# Altium PCB AUVqk.PcbDoc (continued)
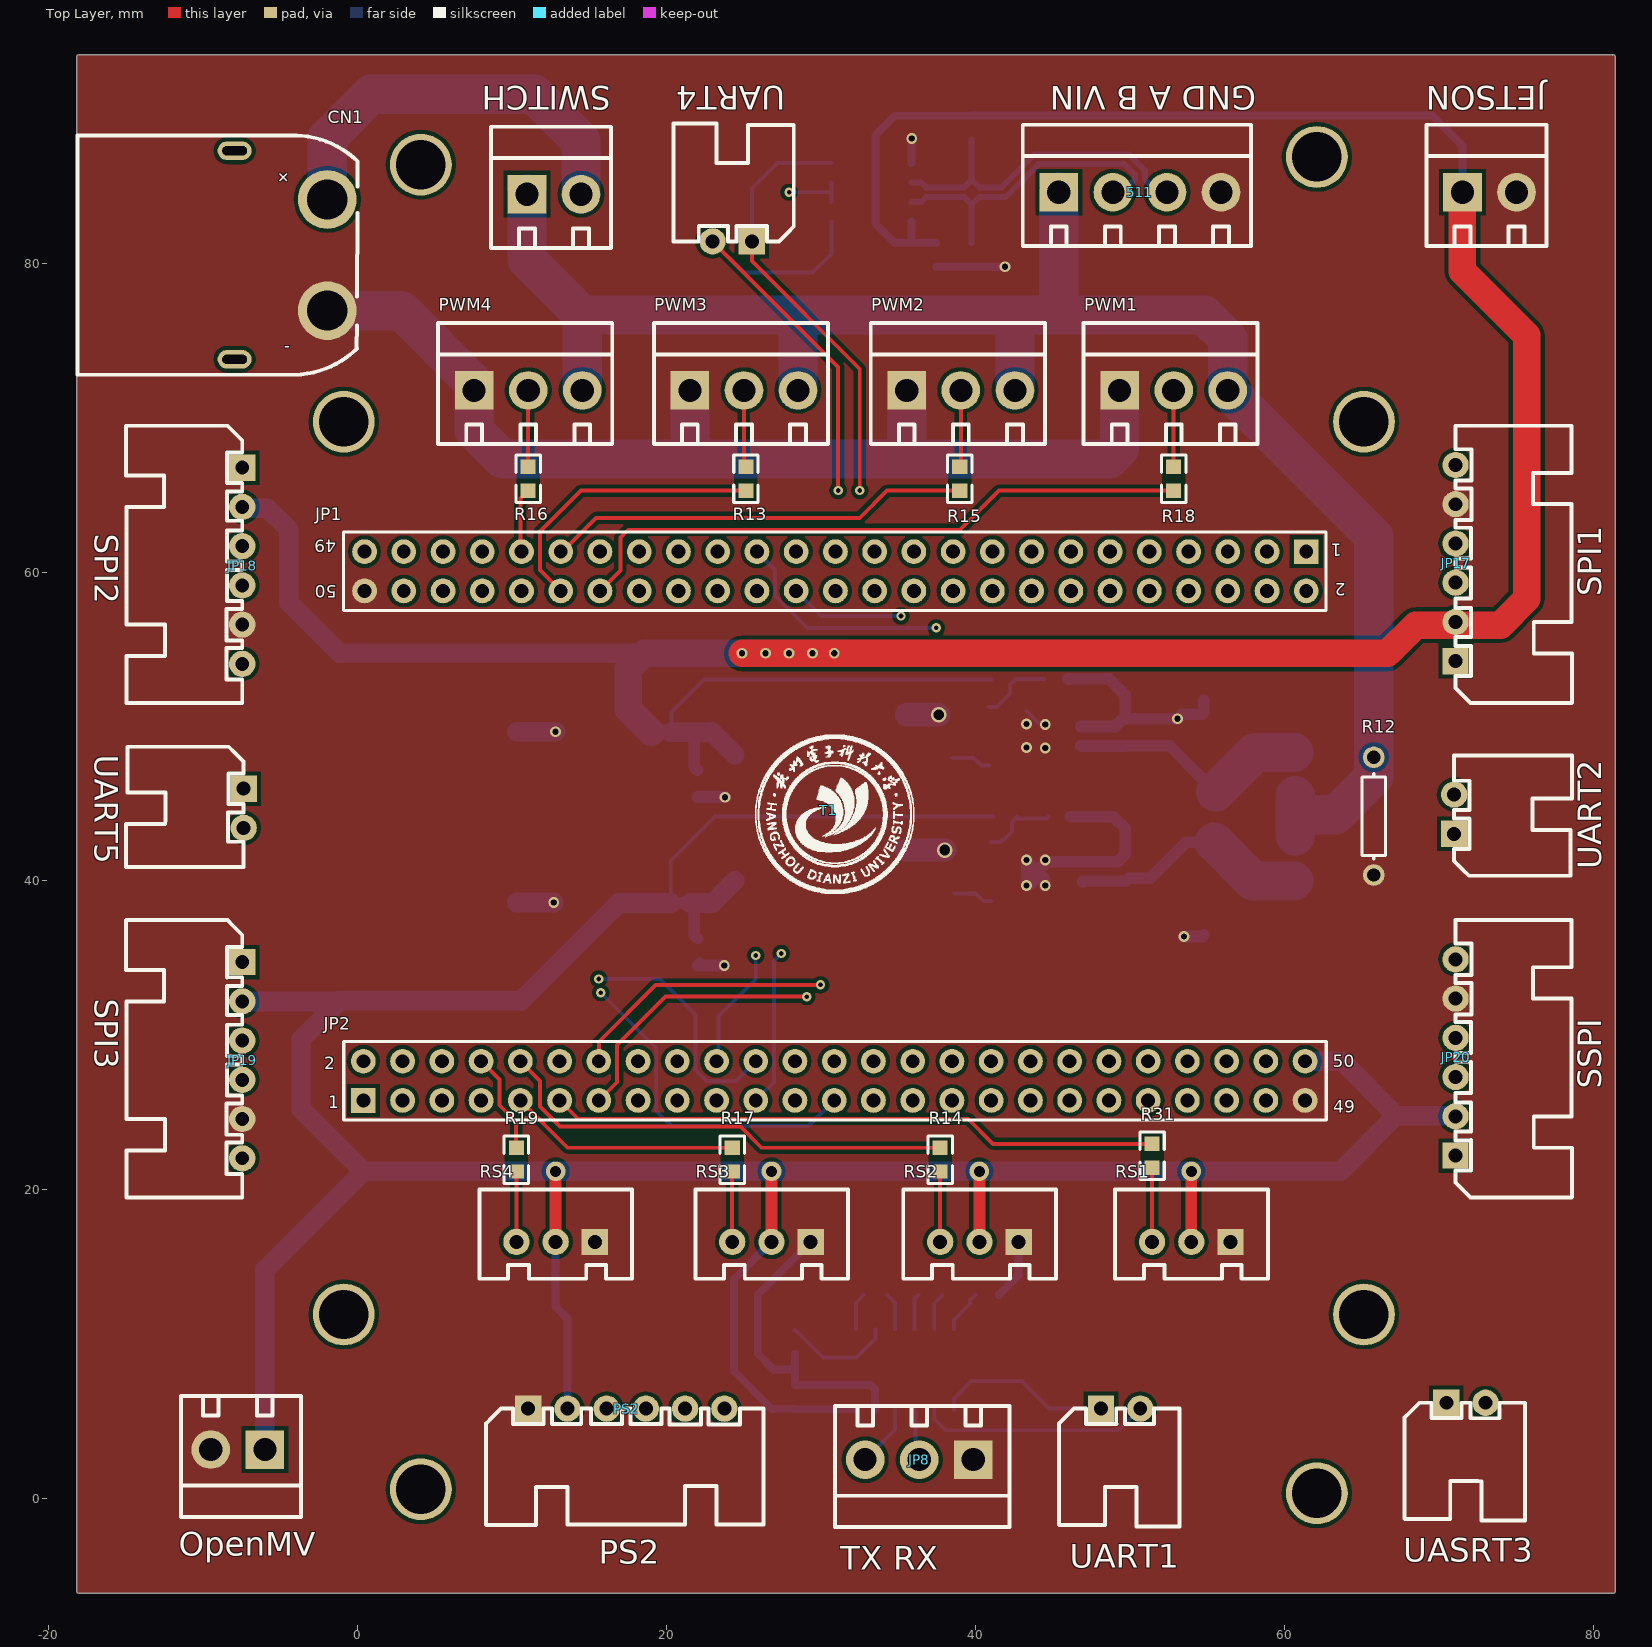
[diagram p0: Top Layer view]
## Components (designator, comment, footprint, x,y, rotation, side; value= is the part's Value field where it differs from the comment) (continued)
JETSON "HDR-1X2" KF350-2P 73.279,84.582 r0 top (schematic designator Jetson)
JP1 "Header 2X25" HDR2.54-LI-2X25P 33.274,60.198 r180 top
JP2 "Header 2X25" HDR2.54-LI-2X25P 28.524,26.909 r0 top
JP8 "HDR-1X3" KF350-3P 36.363,2.54 r180 top
JP17 "HDR-1X6" XH2.54-WI-6P 71.085,60.579 r90 top
JP18 "HDR-1X6" XH2.54-WI-6P -7.458,60.403 r270 top
JP19 "HDR-1X6" XH2.54-WI-6P -7.458,28.399 r270 top
JP20 "HDR-1X6" XH2.54-WI-6P 71.085,28.575 r90 top
L1 "33uH" CDRH73 28.234,48.168 r0 bottom
L2 "33uH" CDRH73 28.234,40.026 r0 bottom
OpenMV "HDR-1X2" KF350-2P -7.747,3.193 r180 top
PS2 "HDR-1X6" XH2.54-WI-6P 17.399,5.842 r0 top
PWM1 "HDR-1X3" KF350-3P 52.832,71.755 r0 top
PWM2 "HDR-1X3" KF350-3P 39.06,71.755 r0 top
PWM3 "HDR-1X3" KF350-3P 25.018,71.755 r0 top
PWM4 "HDR-1X3" KF350-3P 11.049,71.755 r0 top
R1 "27KΩ (2702) ±1%" 0603_R 41.823,53.051 r180 bottom
R2 "0Ω (0R0) ±1%" 0603_R 60.619,46.828 r270 bottom
R3 "8.2KΩ (8201) ±1%" 0603_R 45.212,53.086 r180 bottom
R4 "27KΩ (2702) ±1%" 0603_R 41.942,44.161 r180 bottom
R5 "0Ω (0R0) ±1%" 0603_R 60.619,41.494 r90 bottom
R6 "8.2KΩ (8201) ±1%" 0603_R 45.371,44.161 r180 bottom
R7 "120Ω (1200) ±1%" 0603_R 39.751,84.582 r270 bottom
R8 "360Ω (3600) ±1%" 0603_R 39.747,80.514 r270 bottom
R9 "360Ω (3600) ±1%" 0603_R 39.751,88.773 r270 bottom
R12 "MOV" AXIAL-0.3 65.786,44.196 r90 top value=14D470K
R13 "180Ω (1800) ±1%" 0603_R 25.146,66.04 r90 top
R14 "180Ω (1800) ±1%" 0603_R 37.719,21.963 r270 top
R15 "180Ω (1800) ±1%" 0603_R 38.989,66.04 r90 top
R16 "180Ω (1800) ±1%" 0603_R 11.049,66.04 r90 top
R17 "180Ω (1800) ±1%" 0603_R 24.257,21.963 r270 top
R18 "180Ω (1800) ±1%" 0603_R 52.832,66.04 r90 top
R19 "180Ω (1800) ±1%" 0603_R 10.287,21.963 r270 top
R31 "180Ω (1800) ±1%" 0603_R 51.435,22.217 r270 top
RS1 "HDR-1X3" XH2.54-LI-3P 53.975,16.637 r180 top
RS2 "HDR-1X3" XH2.54-LI-3P 40.259,16.637 r180 top
RS3 "HDR-1X3" XH2.54-LI-3P 26.797,16.637 r180 top
RS4 "HDR-1X3" XH2.54-LI-3P 12.827,16.637 r180 top
SWITCH "HDR-1X2" KF350-2P 12.72,84.455 r0 top
T1 "HDU" HDU 30.48,44.577 r0 top
U1 "TPS5450DDAR" SOP-8_EP_150mil 43.855,49.368 r0 bottom
U2 "TPS5450DDAR" SOP-8_EP_150mil 43.982,40.605 r0 bottom
U3 "MAX3232IDR C18261" SOIC-16_150mil 36.703,8.382 r0 bottom
U4 "MAX485ESA+T" SOIC-8_150MIL 33.274,84.582 r90 bottom
UART1 "HDR-1X2" XH2.54-WI-2P 49.403,5.842 r0 top
UART2 "HDR-1X2" XH2.54-WI-2P 70.993,44.323 r90 top
UART4 "HDR-1X2" XH2.54-WI-2P 24.257,81.407 r180 bottom
UART5 "HDR-1X2" XH2.54-WI-2P -7.366,44.704 r270 top
UASRT3 "HDR-1X2" XH2.54-WI-2P 71.755,6.223 r0 top

## Footprints (in the part's own frame and the unit in brackets; to place one, negate y for a bottom-side part, rotate by r counter-clockwise, add the part's x,y. Pads: shape width x height; smd on the part's side, far side on the other; paste and mask are expansions set on the pad)
0603_C [mm]
  rect 0.93x0.98 smd: 1(-0.77,0) 2(0.77,0)
  silkscreen extent -1.54,-0.79 1.54,0.79, body extent -0.8,-0.4 0.8,0.4, height 0.3
0603_R [mm]
  rect 0.93x0.98 smd: 1(-0.77,0) 2(0.77,0)
  silkscreen extent -1.53,-0.79 1.54,0.79, body extent 0,0 0,0
0805_C [mm]
  rect 1.16x1.47 smd: 1(-0.875,0) 2(0.875,0)
  silkscreen extent -1.76,-1.04 1.76,1.04, body extent 0,0 0,0
AXIAL-0.3 [mm] "Axial Device, Thru-Hole; 2 Leads; 0.3 in Pin Spacing"
  round 1.4 hole 0.85: 1(-3.81,0) 2(3.81,0)
  silkscreen extent -2.77,-0.76 2.77,0.76
CDRH73 [mm] "7.3*7.3*3.4mm（长宽高）"
  rect 2x2 smd: 1(-3.81,0) 2(3.81,0)
  silkscreen extent -3.81,-3.81 3.81,3.81, body extent 0,0 0,0
CONN-TH_XT60PW-M [mm]
  round 3.8 hole 2.6: 1(3,-3.6) 2(3,3.6)
  oval 2.2x1.2 hole 0.6 slot 1.6 at 0 deg: 3(-3,6.75) 4(-3,-6.75)
  silkscreen extent -13.17,-7.75 4.96,7.75
"CT 6*6 - V" [mm] "直径6mm，高6mm"
  rect 2.7x1 smd: 1(3,0)
  oval 2.7x1 smd: 2(-3,0)
  silkscreen extent -3.3,-3.3 3.3,3.3, body extent 0,0 0,0
"CT 10*13 - C" [mm] "直径10mm，高13mm"
  rect 3.8x1.3 smd: 1(5,0)
  oval 3.8x1.3 smd: 2(-5,0)
  silkscreen extent -5.2,-5.2 5.2,5.2, body extent 0,0 0,0
HDR2.54-LI-2X25P [mm]
  rect 1.6x1.6 hole 0.9: 1(-28.143,-1.118)
  round 1.6 hole 0.9: 2(-28.143,1.422) 3(-25.603,-1.118) 4(-25.603,1.422) 5(-23.063,-1.118) 6(-23.063,1.422) 7(-20.523,-1.118) 8(-20.523,1.422) 9(-17.983,-1.118) 10(-17.983,1.422) 11(-15.443,-1.118) 12(-15.443,1.422) 13(-12.903,-1.118) 14(-12.903,1.422) 15(-10.363,-1.118) 16(-10.363,1.422) 17(-7.823,-1.118) 18(-7.823,1.422) 19(-5.283,-1.118) 20(-5.283,1.422) 21(-2.743,-1.118) 22(-2.743,1.422) 23(-0.203,-1.118) 24(-0.203,1.422) 25(2.337,-1.118) 26(2.337,1.422) 27(4.877,-1.118) 28(4.877,1.422) 29(7.417,-1.118) 30(7.417,1.422) 31(9.957,-1.118) 32(9.957,1.422) 33(12.497,-1.118) 34(12.497,1.422) 35(15.037,-1.118) 36(15.037,1.422) 37(17.577,-1.118) 38(17.577,1.422) 39(20.117,-1.118) 40(20.117,1.422) 41(22.657,-1.118) 42(22.657,1.422) 43(25.197,-1.118) 44(25.197,1.422) 45(27.737,-1.118) 46(27.737,1.422) 47(30.277,-1.118) 48(30.277,1.422) 49(32.817,-1.118) 50(32.817,1.422)
  silkscreen extent -29.41,-2.39 34.19,2.69, body extent -29.41,-2.39 34.09,2.69, height 8.5
HDU [mm]
  silkscreen extent -4.72,-5.38 5.56,4.9
KF350-2P [mm] "可拼接端子/10A"
  rect 2.5x2.5 hole 1.5: 1(-1.75,0)
  round 2.5 hole 1.5: 2(1.75,0)
  silkscreen extent -4.09,-3.48 3.69,4.37, body extent -3.9,-3.3 3.5,4.2, height 10
KF350-3P [mm] "可拼接端子/10A"
  rect 2.5x2.5 hole 1.5: 1(-3.5,0)
  round 2.5 hole 1.5: 2(0,0) 3(3.5,0)
  silkscreen extent -5.84,-3.48 5.44,4.37, body extent -5.65,-3.3 5.25,4.2, height 10
KF350-4P [mm] "可拼接端子/10A"
  rect 2.5x2.5 hole 1.5: 1(-5.25,0)
  round 2.5 hole 1.5: 2(-1.75,0) 3(1.75,0) 4(5.25,0)
  silkscreen extent -7.59,-3.48 7.19,4.37, body extent -7.4,-3.3 7,4.2, height 10
SMA(DO-214AC)_S1 [mm]
  rect 2x2 smd: 1(2.1,0) 2(-2.1,0)
  silkscreen extent -2.35,-1.5 2.35,1.5
SOIC-8_150MIL [mm] "5*6.2*1.75mm"
  oval 0.7x1.8 smd: 1(-1.905,-2.6) 2(-0.635,-2.6) 3(0.635,-2.6) 4(1.905,-2.6) 5(1.905,2.6) 6(0.635,2.6) 7(-0.635,2.6) 8(-1.905,2.6)
  silkscreen extent -2.9,-3.05 2.4,1.4, body extent -2.45,-3 2.45,3, height 1.75
SOIC-16_150mil [mm] "10.5*6.2*1.75mm"
  oval 0.6x1.8 smd: 1(-4.445,-2.6) 2(-3.175,-2.6) 3(-1.905,-2.6) 4(-0.635,-2.6) 5(0.635,-2.6) 6(1.905,-2.6) 7(3.175,-2.6) 8(4.445,-2.6) 9(4.445,2.6) 10(3.175,2.6) 11(1.905,2.6) 12(0.635,2.6) 13(-0.635,2.6) 14(-1.905,2.6) 15(-3.175,2.6) 16(-4.445,2.6)
  silkscreen extent -5.4,-3.05 4.97,1.4, body extent -5,-3.03 5,3.03, height 1.65
SOP-8_EP_150mil [mm]
  oval 1.6x0.6 smd: 1(-2.972,1.905) 2(-2.972,0.635) 3(-2.972,-0.635) 4(-2.972,-1.905) 5(2.972,-1.905) 6(2.972,-0.635) 7(2.972,0.635) 8(2.972,1.905)
  rect 2.5x3.5 smd: 9(0,0)
  silkscreen extent -2.74,-2.39 1.93,2.84
XH2.54-LI-3P [mm] "接插件，3P"
  rect 1.7x1.7 hole 0.9: 1(-2.54,0)
  round 1.7 hole 0.9: 2(0,0) 3(2.54,0)
  silkscreen extent -4.95,-3.38 4.93,2.39, body extent -5.04,-3.3 5.04,2.4, height 7.03
XH2.54-WI-2P [mm] "接插件，2P"
  rect 1.7x1.7 hole 0.9: 1(-1.27,0)
  round 1.7 hole 0.9: 2(1.27,0)
  silkscreen extent -3.99,-7.62 3.81,0, body extent -3.77,-7.35 3.77,0.35, height 5.73
XH2.54-WI-6P [mm] "接插件，6P"
  rect 1.7x1.7 hole 0.9: 1(-6.35,0)
  round 1.7 hole 0.9: 2(-3.81,0) 3(-1.27,0) 4(1.27,0) 5(3.81,0) 6(6.35,0)
  silkscreen extent -9.07,-7.53 8.89,0, body extent -8.85,-7.35 8.85,0.35, height 5.75

## Part data
511: library part "Header 4 Pitch3.5", "4P接插件", BOM名称=4P接插件, 学习资源=www.ooocke.com, 版权归属=源创客
C1 C6: library part "0805 10nF (103) 10% 50V", "贴片电容", Package=0805, SuppliersPartNumber=C1710, ComponentLink1Description=供应商链接, ComponentLink1URL=http://www.szlcsc.com/product/details_2062.html, Supplier=LC
C2 C3 C7 C8: library part C-CT, "贴片固态电容", BOM名称=贴片固态电容, 学习资源=www.ooocke.com, 版权归属=源创客
C4 C5 C9 C10: library part "0805 22nF (223) 10% 50V", "贴片电容", Package=0805, SuppliersPartNumber=C1729, ComponentLink1Description=供应商链接, ComponentLink1URL=http://www.szlcsc.com/product/details_2081.html, Supplier=LC
C11 C12 C13 C14 C15 C16: library part "0603 100nF (104) 10% 50V", "贴片电容", Package=0603, SuppliersPartNumber=C14663, ComponentLink1Description=供应商链接, ComponentLink1URL=http://www.szlcsc.com/product/details_15331.html, Supplier=LC
CN1: BOM_JLCPCB Part Class="Extended Part", BOM_Manufacturer=AMASS(艾迈斯), BOM_Manufacturer Part=XT60PW-M, BOM_Supplier=LCSC, BOM_Supplier Part=C98732, Contributor=LCSC, spicePre=C, spiceSymbolName=XT60PW-M
D1 D2: "二极管", Package=SMA(DO-214AC), SuppliersPartNumber=C22452, ComponentLink1Description=供应商链接, ComponentLink1URL=http://www.szlcsc.com/product/details_23178.html, Supplier=LC
JETSON OpenMV SWITCH: library part "Header 2 Pitch3.5", "2P接插件", BOM名称=2P接插件, 学习资源=www.ooocke.com, 版权归属=源创客
JP1 JP2: library part "Header 25X2 Pitch2.54", "25*2P接插件", BOM名称=20*2P接插件, 学习资源=www.ooocke.com, 版权归属=源创客
JP8 PWM1 PWM2 PWM3 PWM4: library part "Header 3 Pitch3.5", "3P接插件", BOM名称=3P接插件, 学习资源=www.ooocke.com, 版权归属=源创客
JP17 JP18 JP19 JP20 PS2: library part "Header 6 Pitch2.54", "6P接插件", BOM名称=6P接插件, 学习资源=www.ooocke.com, 版权归属=源创客
L1 L2: library part L-CDRH, "功率屏蔽电感", BOM名称=功率屏蔽电感, 学习资源=www.ooocke.com, 版权归属=源创客
R1 R4: library part "0603 27KΩ (2702) 1%", "贴片电阻", Package=0603, SuppliersPartNumber=C22967, ComponentLink1Description=供应商链接, ComponentLink1URL=http://www.szlcsc.com/product/details_23694.html, Supplier=LC
R2 R5: library part "0603 0Ω (0R0) 1%", "贴片电阻", Package=0603, SuppliersPartNumber=C21189, ComponentLink1Description=供应商链接, ComponentLink1URL=http://www.szlcsc.com/product/details_21903.html, Supplier=LC
R3 R6: library part "0603 8.2KΩ (8201) 1%", "贴片电阻", Package=0603, SuppliersPartNumber=C25981, ComponentLink1Description=供应商链接, ComponentLink1URL=http://www.szlcsc.com/product/details_26724.html, Supplier=LC
R7: library part "0603 120Ω (1200) 1%", "贴片电阻", Package=0603, SuppliersPartNumber=C22787, ComponentLink1Description=供应商链接, ComponentLink1URL=http://www.szlcsc.com/product/details_23514.html, Supplier=LC
R8 R9: library part "0603 360Ω (3600) 1%", "贴片电阻", Package=0603, SuppliersPartNumber=C25194, ComponentLink1Description=供应商链接, ComponentLink1URL=http://www.szlcsc.com/product/details_25937.html, Supplier=LC
R12: library part Res1, "Resistor", LatestRevisionDate=17-Jul-2002, LatestRevisionNote="Re-released for DXP Platform.", PackageDescription="Axial Device, Thru-Hole; 2 Leads; 0.3 in Pin Spacing", PackageReference=AXIAL-0.3, Published=8-Jun-2000, Publisher="Altium Limited"
R13 R14 R15 R16 R17 R18 R19 R31: library part "0603 3KΩ (3001) 1%", "贴片电阻", Package=0603, SuppliersPartNumber=C4211, ComponentLink1Description=供应商链接, ComponentLink1URL=http://www.szlcsc.com/product/details_4618.html, Supplier=LC
RS1 RS2 RS3 RS4: library part "Header 3 Pitch2.54", "3P接插件", BOM名称=3P接插件, 学习资源=www.ooocke.com, 版权归属=源创客
U1 U2: library part TPS5430DDAR_[C9864], "DC-DCоƬ", Package=SOP-8_EP_150mil, SuppliersPartNumber=C9864, ComponentLink1Description=供应商链接, ComponentLink1URL=http://www.szlcsc.com/product/details_10396.html, Notepad="0 pin:        GND pin must be connected to the exposed pad for proper operation.", Supplier=LC
U3: "+3.3V Powered, Multi-Channel RS-232 Driver/Receiver", Code_IPC=SOIC127P600-16, Code_JEDEC=MS-012-AC, ComponentLink1Description="Manufacturer Link", ComponentLink1URL=http://www.maxim-ic.com/, ComponentLink2Description=Datasheet, ComponentLink2URL=https://item.szlcsc.com/18956.html, LatestRevisionDate=13-Apr-2006, LatestRevisionNote="IPC-7351 Footprint Added.", PackageDescription="16-Pin Small Outline Integrated Circuit 1.27 mm Pitch", PackageReference=NSO16, Published=16-Jan-2001, Publisher="Altium Limited"
U4: library part "MAX3485ESA+T C18148", "485оƬ", BOM_LCSC Assembly=Yes, BOM_Manufacturer=MAXIM, BOM_Manufacturer Part=MAX3485ESA+T, BOM_Supplier=LCSC, BOM_Supplier Part=C18148, image=//image.lceda.cn/szlcsc/C18148.jpg, SMT Type=Extend, spicePre=U, URL=https://item.szlcsc.com/18840.html
UART1 UART2 UART4 UART5 UASRT3: library part "Header 2 Pitch2.54", "2P接插件", BOM名称=2P接插件, 学习资源=www.ooocke.com, 版权归属=源创客

## Free pads (board coordinates)
  round 4 hole 3.2: 5(-0.889,11.938) 5(-0.889,69.723) 5(4.103,0.622) 5(4.103,86.368) 5(62.103,86.868) 5(62.103,0.368) 5(65.151,11.938) 5(65.151,69.723)

## Via types
v1: diameter 0.7, hole 0.4, Top Layer to Bottom Layer, 21 vias
v2: diameter 0.6, hole 0.3, Top Layer to Bottom Layer, 11 vias
v3: diameter 1.27, hole 0.711, Top Layer to Bottom Layer, 4 vias
v4: diameter 1, hole 0.7, Top Layer to Bottom Layer, 2 vias

## Nets (pads, with @x,y where several pads share a name; then routed paths per layer and width w, separated by ;. In a path a pad name is that pad's centre, name@x,y a point inside that pad or via, vN(x,y) a via of type N, cw(c..) or ccw(c..) an arc to the next point about the centre after c; other vN are vias at no path point)
5V: C7.1 C9.2 C14.1 JP2.50 JP19.2 JP20.2 L2.1 OpenMV.1 PS2.2 R4.2 RS1.2 RS2.2 RS3.2 RS4.2 U3.16 | length 223.2
  Top Layer w0.762: RS4.2 v3(12.827,21.209) ; RS3.2 v3@26.797,20.955 ; RS2.2 v3@40.259,20.955 ; RS1.2@53.973,16.637 v3@53.973,20.828
  Bottom Layer w0.254: C7.1 20.28,41.287 23.154,44.161 R4.2
  Bottom Layer w0.508: RS4.2 12.827,12.446 13.589,11.684 PS2.2 ; RS3.2 24.384,14.224 24.384,8.255 26.805,5.834 C14.1 28.347,5.808 32.232,5.808 U3.16
  Bottom Layer w0.762: C7.1 21.53,38.573 21.799,38.304 21.799,36.486 21.998,36.287 C9.2
  Bottom Layer w1.27: JP19.2 -7.444,32.194 -1.206,32.194 -3.683,29.718 -3.683,25.273 0.381,21.209 ; OpenMV.1 -5.997,14.831 0.381,21.209 ; -1.206,32.258 10.611,32.258 16.926,38.573 C7.1 ; C7.1@21.53,38.573 22.971,38.573 L2.1 ; JP2.50 63.715,28.331 67.232,24.814 ; JP20.2@70.911,24.847 JP20.2@70.993,24.765 ; JP20.2@71.12,24.814 67.232,24.814 ; 0.381,21.209 v3(12.827,21.209) v3(26.797,21.209) v3(40.259,21.209) v3(53.975,21.209) 63.627,21.209 67.232,24.814
5V_JETSON: C2.1 C4.2 C16.1 JETSON.1 JP17.2 JP18.2 L1.1 R1.2 R9.1 U4.8 | length 218
  Top Layer w1.778: v1(24.892,54.737) v1(30.861,54.737) 62.23,54.737 66.675,54.737 68.502,56.564 73.992,56.564 75.692,58.264 75.692,75.311 71.529,79.474 JETSON.1
  Bottom Layer w0.254: C2.1@20.295,49.637 20.32,49.662 20.32,50.927 22.444,53.051 R1.2
  Bottom Layer w0.508: U4.8 35.874,81.348 35.814,81.288 ; C16.1 35.814,81.288 ; JETSON.1@71.529,83.947 JETSON.1 71.529,87.602 69.588,89.543 R9.1 39.743,89.535 34.798,89.535 33.528,88.265 33.528,82.55 34.79,81.288 35.814,81.288
  Bottom Layer w0.762: C2.1@19.03,49.622 C2.1 ; C2.1@21.799,49.353 21.799,47.38 21.998,47.181 C4.2
  Bottom Layer w1.27: JP18.2 -7.38,64.135 -5.842,64.135 -4.445,62.738 -4.445,58.039 -1.143,54.737 18.568,54.737 ; C2.1 20.295,49.637 22.84,49.637 22.86,49.657 22.936,49.657 L1.1
  Bottom Layer w1.778: C2.1@19.03,49.622 17.526,51.126 17.526,53.695 18.568,54.737 v1(24.892,54.737) v1(26.416,54.737) v1(27.94,54.737) v1(29.464,54.737) v1(30.861,54.737) 31.623,54.737
24V: CN1.2 SWITCH.2 | length 26.3
  Bottom Layer w2.54: CN1.2 -1.953,88.09 0.889,90.932 11.43,90.932 14.47,87.892 SWITCH.2
232RX: JP8.2 U3.13 | length 3.4
  Bottom Layer w0.254: U3.13 36.134,5.716 36.134,2.769 JP8.2
232TX: JP8.3 U3.14 | length 4
  Bottom Layer w0.254: JP8.3 34.798,4.475 U3.14
485_N: 511.2 R7.2 R8.1 U4.7 | length 20.8
  Bottom Layer w0.381: U4.7 36.489,83.947 36.807,84.264 39.273,84.264 39.726,83.812 R7.2 ; R8.1 39.747,83.808 R7.2 ; 511.2 49.474,84.582 50.078,85.187 50.109,85.187 50.333,85.41 50.333,85.725 49.655,86.404 44.093,86.404 41.954,84.264 40.229,84.264 39.776,83.812 R7.2
485_P: 511.3 R7.1 R9.2 U4.6 | length 21.9
  Bottom Layer w0.381: U4.6 36.489,85.217 36.807,84.9 39.274,84.9 39.726,85.352 R7.1 ; R9.2 R7.1 ; 511.3 51.827,84.582 51.222,85.187 51.191,85.187 50.968,85.41 50.968,85.988 49.918,87.039 43.83,87.039 41.691,84.899 40.229,84.899 39.776,85.352 R7.1
BOOT0: JP2.36
GND: 511.4 C2.2 C3.2 C4.1 C5.1 C7.2 C8.2 C9.1 C10.1 C13.2 C14.2 C15.2 C16.2 CN1.1 D1.1 D2.1 JETSON.2 JP1.50 JP2.49 JP8.1 JP17.5 JP18.5 JP19.5 JP20.5 OpenMV.2 PS2.1 PWM1.1 PWM2.1 PWM3.1 PWM4.1 R3.1 R6.1 R8.2 R12.1 RS1.1 RS2.1 RS3.1 RS4.1 U1.6 U1.9 U2.6 U2.9 U3.15 U4.5 | length 147.9
  Bottom Layer w0.254: U1.9@43.312,50.991 44.173,50.13 v1(44.521,50.13) ; v1(44.521,41.367) U2.9@44.648,41.24
  Bottom Layer w0.508: C2.2@10.129,49.773 C2.2 ; C13.2 28.321,8.382 ; RS3.1 25.908,13.208 25.908,9.398 26.924,8.382 28.321,8.382 ; U3.15 33.51,5.8 33.51,7.076 33.213,7.374 C14.2 28.321,8.382 ; U4.5 v1(35.874,88.071) ; C16.2 37.469,79.752 41.906,79.752 v1(41.91,79.756) ; C15.2 41.537,13.233 42.799,14.495 RS2.1
  Bottom Layer w0.762: C7.2 C7.2@10.315,38.608 ; C2.2 C2.2@10.315,49.657 ; C4.1 23.789,45.431 v1(23.797,45.423) ; C9.1@22.13,34.655 C9.1 v1(23.742,34.537) ; D2.1 D2.1@35.532,42.002 ; D1.1 D1.1@35.532,50.765 ; U2.9@43.347,39.716 U2.9@43.347,41.367 ; U2.9@43.474,39.716 43.982,40.224 U2.9 ; U2.9@43.474,41.113 U2.9 ; U2.9@44.49,39.716 44.49,40.097 U2.9 ; U2.9@44.49,41.367 44.49,41.113 U2.9 ; U2.9@44.648,41.24 U2.6 49.203,41.24 C10.1 49.697,43.399 48.935,44.161 R6.1 ; R3.1 48.641,53.086 49.697,52.03 C5.1 ; U1.6 49.048,50.003 49.542,50.497 C5.1 ; v1(53.507,36.414) 54.679,36.414 C8.2 ; C3.2 54.777,50.897 54.667,50.787 53.377,50.787 v1(53.086,50.497) C5.1
  Bottom Layer w1.27: C7.2@10.315,38.608 v1(12.7,38.608) ; C2.2@10.315,49.657 v1(12.827,49.657)
  Bottom Layer w1.5: D2.1@35.532,42.002 v4(38.013,42.002) ; D1.1@35.532,50.765 v4(37.632,50.765)
  Bottom Layer w2.54: CN1.1 2.838,76.918 7.549,72.207 PWM4.1 7.549,69.159 9.398,67.31 21.518,67.31 ; PWM3.1 21.518,67.31 ; PWM2.1 35.56,67.31 ; PWM1.1 49.332,68.001 48.641,67.31 35.56,67.31 ; 21.518,67.31 35.56,67.31
  other v1: 43.316,39.716 44.521,39.716 43.316,41.367 44.521,48.606 43.307,48.641 43.307,50.165
NetC1_1: C1.1 U1.1 | length 2.6
  Bottom Layer w0.254: C1.1 39.889,47.957 40.383,47.463 U1.1
NetC1_2: C1.2 D1.2 L1.2 U1.8
NetC3_1: C3.1 C5.2 R2.1 U1.7 | length 15.8
  Bottom Layer w0.762: U1.7 46.834,48.74 49.69,48.74 C5.2 52.563,48.747 54.658,46.652 54.777,46.533 C3.1
  Bottom Layer w2.54: 55.565,45.781 58.102,48.318 60.619,48.318
NetC6_1: C6.1 U2.1 | length 2.6
  Bottom Layer w0.254: C6.1 40.016,39.194 40.51,38.7 U2.1
NetC6_2: C6.2 D2.2 L2.2 U2.8
NetC8_1: C8.1 C10.2 R5.1 U2.7 | length 15.8
  Bottom Layer w0.762: U2.7 46.961,39.977 49.69,39.977 C10.2 49.896,40.183 51.307,40.183 53.636,42.512 C8.1 55.467,42.512
  Bottom Layer w2.54: 55.467,42.512 57.975,40.004 60.619,40.004
NetC11_1: C11.1 U3.3 | length 2.4
  Bottom Layer w0.254: C11.1 34.298,13.183 34.798,12.683 U3.3
NetC11_2: C11.2 U3.1 | length 2.4
  Bottom Layer w0.254: U3.1 32.258,12.683 32.758,13.183 C11.2
NetC12_1: C12.1 U3.4 | length 2.3
  Bottom Layer w0.254: U3.4 36.068,12.962 C12.1
NetC12_2: C12.2 U3.5 | length 2.4
  Bottom Layer w0.254: U3.5 37.338,12.667 37.854,13.183 C12.2
NetC13_1: C13.1 U3.2 | length 7.1
  Bottom Layer w0.254: C13.1 28.346,10.93 30.132,9.144 32.29,9.144 33.528,10.382 U3.2
NetC15_1: C15.1 U3.6 | length 2.8
  Bottom Layer w0.254: U3.6 38.608,11.582 39.659,12.633 39.659,12.87 C15.1
NetJP1_42: JP1.42
NetJP1_43: JP1.43
NetJP1_44: JP1.44
NetJP1_45: JP1.45
NetJP1_46: JP1.46
NetJP1_47: JP1.47
NetJP1_48: JP1.48
NetJP1_49: JP1.49
NetJP2_2: JP2.2
NetJP2_3: JP2.3
NetJP2_4: JP2.4
NetJP2_5: JP2.5
NetJP2_6: JP2.6
NetJP2_7: JP2.7
NetR1_1: R1.1 R3.2 U1.4 | length 4.6
  Bottom Layer w0.254: U1.4 41.383,51.273 42.255,52.145 42.255,52.713 R1.1 42.628,53.086 R3.2
NetR4_1: R4.1 R6.2 U2.4 | length 4.7
  Bottom Layer w0.254: U2.4 41.604,42.51 41.739,42.644 41.831,42.644 42.374,43.188 42.374,43.823 R4.1 ; R4.1@42.712,44.034 R6.2@44.474,44.034 ; R6.2@44.617,44.034 R6.2@44.744,44.161
NRST: JP1.1
PA0: JP1.6
PA2: JP1.8 UART2.1 | length 25.4
  Signal w0.254: JP1.8 55.55,57.023 59.944,57.023 69.342,47.625 69.342,45.503 70.27,44.575 70.27,43.776 UART2.1
PA3: JP1.9 UART2.2 | length 27.4
  Signal w0.254: JP1.9 52.616,59.957 54.286,59.957 55.156,59.087 55.156,58.286 55.848,57.595 60.091,57.595 70.993,46.692 UART2.2
PA4: JP1.10
PA5: JP1.11 JP17.3 | length 25.4
  Signal w0.254: JP1.11 51.41,64.008 66.386,64.008 JP17.3
PA6: JP1.12 JP17.1 | length 30.6
  Signal w0.254: JP1.12 49.898,59.957 49.898,61.627 51.771,63.5 64.262,63.5 66.548,61.214 66.548,58.766 JP17.1
PA7: JP1.13 JP17.4 | length 27.3
  Signal w0.254: JP1.13 49.378,64.516 68.418,64.516 JP17.4
PA8: JP2.12 PS2.3 | length 26.1
  Signal w0.254: JP2.12 14.44,26.972 14.44,25.184 18.923,20.701 18.923,8.636 PS2.3
PA9: JP2.13 U3.11 UART1.1 | length 71.2
  Top Layer w0.254: JP2.13 16.802,26.972 16.802,29.375 19.939,32.512 v2(29.083,32.512) ; UART1.1 UART1.1@48.26,5.969
  Signal w0.254: v2(29.083,32.512) 41.656,32.512 44.742,29.426 44.742,23.203 48.133,19.812 UART1.1
  Bottom Layer w0.254: U3.11 38.608,6.477 39.751,7.62 42.99,7.62 44.768,5.842 UART1.1
PA10: JP2.14 U3.12 UART1.2 | length 76.1
  Top Layer w0.254: JP2.14 15.621,29.591 19.304,33.274 v2(29.972,33.274)
  Signal w0.254: v2(29.972,33.274) 43.942,33.274 47.46,29.756 47.46,23.533 49.022,21.971 49.022,9.652 50.673,8.001 UART1.2
  Bottom Layer w0.254: U3.12 37.338,5.182 38.075,4.445 49.276,4.445 UART1.2
PA11: JP2.15 PS2.4 | length 20.8
  Signal w0.254: JP2.15 18.161,22.225 19.431,20.955 19.431,6.985 18.884,6.438 18.884,6.057 PS2.4
PA12: JP2.16 PS2.5 | length 23.8
  Signal w0.254: JP2.16 19.52,26.972 19.52,21.882 19.939,21.463 19.939,7.112 PS2.5
PA13: JP2.17
PA14: JP2.18
PA15: JP2.19 PS2.6 | length 22.5
  Signal w0.254: JP2.19 23.241,24.003 20.447,21.209 20.447,9.144 PS2.6
PB0: JP1.16
PB1: JP1.17
PB2: JP1.18
PB3: JP2.31 JP19.3 | length 49.9
  Signal w0.254: JP19.3 -4.65,29.669 -2.996,31.323 34.619,31.323 37.122,28.82 37.122,27.15 JP2.31
PB4: JP2.32 JP19.1 | length 48.6
  Signal w0.254: JP19.1 -4.54,31.831 34.981,31.831 JP2.32
PB5: JP2.33 JP19.4 | length 56.8
  Signal w0.254: JP19.4 -4.904,27.129 -3.429,28.604 -3.429,30.099 -2.75,30.778 32.625,30.778 34.76,28.642 34.76,24.93 35.941,23.749 38.979,23.749 JP2.33
PB6: JP2.34
PB7: JP2.35 JP19.6 | length 63.8
  Signal w0.254: JP19.6 -2.921,26.586 -2.921,29.889 -2.54,30.27 31.325,30.27 32.22,29.375 32.22,23.914 33.274,22.86 40.63,22.86 JP2.35
PB8: JP2.37
PB9: JP2.38
PB10: JP1.28 UASRT3.1 | length 86.6
  Signal w0.254: v2(35.179,57.15) 38.354,53.975 54.61,53.975 68.834,39.751 71.374,39.751 73.66,37.465 73.66,20.574 70.485,17.399 UASRT3.1
  Bottom Layer w0.254: JP1.28 30.023,57.15 v2(35.179,57.15)
PB11: JP1.29 UASRT3.2 | length 93.4
  Signal w0.254: v2(37.465,56.388) 37.465,56.261 38.862,54.864 54.991,54.864 68.58,41.275 72.517,41.275 75.565,38.227 75.565,20.198 73.025,17.658 UASRT3.2
  Bottom Layer w0.254: JP1.29 27.038,60.135 27.038,58.464 29.115,56.388 v2(37.465,56.388)
PB12: JP1.30
PB13: JP1.31 JP18.3 | length 32.9
  Signal w0.254: JP18.3 -6.018,61.673 -3.683,64.008 20.625,64.008 JP1.31
PB14: JP1.32 JP18.1 | length 38.4
  Signal w0.254: JP18.1 -3.38,66.753 -1.143,64.516 22.987,64.516 24.676,62.827 24.676,60.135 JP1.32
PB15: JP1.33 JP18.4 | length 31.2
  Signal w0.254: JP18.4 -7.458,59.515 -3.473,63.5 18.593,63.5 JP1.33
PC0: JP1.2
PC1: JP1.3
PC2: JP1.4
PC3: JP1.5
PC4: JP1.14
PC5: JP1.15 JP17.6 | length 29.8
  Signal w0.254: JP1.15 47.346,65.024 64.897,65.024 66.802,66.929 JP17.6
PC6: JP2.8 R19.1 | length 6.6
  Top Layer w0.254: JP2.8 9.182,27.15 9.182,25.48 10.262,24.4 10.262,22.733 R19.1 R19.1@10.312,22.733
PC7: JP2.9 R17.1 | length 15
  Top Layer w0.254: JP2.9 13.599,22.733 R17.1
PC8: JP2.10 R14.1 | length 30.5
  Top Layer w0.254: JP2.10 11.808,27.064 11.808,25.394 13.1,24.102 24.78,24.102 26.149,22.733 R14.1
PC9: JP2.11 R31.1 | length 39.8
  Top Layer w0.254: JP2.11@13.081,25.502 JP2.11 14.262,24.61 39.525,24.61 41.148,22.987 R31.1
PC10: JP2.20 U4.4 UART4.1 | length 74.5
  Top Layer w0.254: UART4.1 25.527,80.137 32.512,73.152 v2(32.512,65.278)
  Signal w0.254: JP2.20@23.011,28.561 JP2.20 ; v2(25.781,35.179) 25.781,38.354 31.592,44.165 31.592,55.53 29.718,57.404 29.718,65.913 30.353,66.548 32.109,66.548 32.512,66.145 v2(32.512,65.278)
  Bottom Layer w0.254: JP2.20 23.368,28.458 23.368,31.242 25.781,33.655 v2(25.781,35.179) ; UART4.1 25.527,84.836 27.178,86.487 U4.4
PC11: JP2.21 U4.1 UART4.2 | length 73.1
  Top Layer w0.254: UART4.2 31.115,73.279 v2(31.115,65.278)
  Signal w0.254: v2(27.432,35.306) 27.432,39.049 32.118,43.735 32.118,64.275 v2(31.115,65.278)
  Bottom Layer w0.254: UART4.2 25.019,79.375 29.464,79.375 30.674,80.585 U4.1 ; JP2.21 26.962,26.972 26.962,34.813 27.432,35.283 v2(27.432,35.306)
PC12: JP2.22 UART5.1 | length 43.9
  Signal w0.254: UART5.1@-7.874,45.974 -7.796,45.896 UART5.1@-7.585,45.896 ; UART5.1 4.953,33.655 v2(15.621,33.655)
  Bottom Layer w0.254: v2(15.621,33.655) 19.587,33.655 21.882,31.36 21.882,27.775 22.606,27.051 24.501,27.051 JP2.22
PC13: JP2.46
PC14: JP2.47
PC15: JP2.48
PD0: JP2.23
PD1: JP2.24
PD2: JP2.25 UART5.2 | length 49.3
  Signal w0.254: UART5.2 3.302,32.766 v2(15.748,32.766)
  Bottom Layer w0.254: v2(15.748,32.766) 19.342,29.172 19.342,25.108 20.32,24.13 29.2,24.13 JP2.25
PD3: JP2.26
PD4: JP2.27
PD5: JP2.28
PD6: JP2.29
PD7: JP2.30
PD8: JP1.34
PD9: JP1.35 JP18.6 | length 32.9
  Signal w0.254: JP18.6 -5.505,56.006 -5.505,60.75 -3.262,62.992 16.561,62.992 JP1.35
PD10: JP1.36
PD11: JP1.37
PD12: JP1.38 R18.1 | length 41.1
  Top Layer w0.254: JP1.38 17.018,60.096 17.018,62.23 17.526,62.738 18.669,62.738 38.989,62.738 41.521,65.27 R18.1
PD13: JP1.39 R15.1 | length 27.9
  Top Layer w0.254: JP1.39 13.266,61.316 15.45,63.5 32.512,63.5 34.282,65.27 R15.1 R15.1@39.327,64.932
PD14: JP1.40 R13.1 | length 18.9
  Top Layer w0.254: JP1.40 11.811,60.122 11.811,62.611 14.47,65.27 R13.1 R13.1@25.171,65.27
PD15: JP1.41 R16.1 | length 4.8
  Top Layer w0.254: JP1.41@11.024,61.722 JP1.41 10.541,61.392 10.541,64.762 10.686,64.907 10.686,64.932 11.024,65.27 R16.1 R16.1@11.074,65.27
PE0: JP2.39
PE1: JP2.40 JP20.6 | length 34.8
  Signal w0.254: JP2.40 50.155,29.845 54.102,29.845 55.064,28.883 55.064,27.858 55.772,27.15 57.051,27.15 57.62,26.581 57.62,25.302 58.792,24.13 66.294,24.13 67.183,25.019 67.183,31.023 JP20.6
PE2: JP2.41 JP20.3 | length 31
  Signal w0.254: JP2.41 54.366,22.606 66.272,22.606 68.558,20.32 71.755,20.32 72.898,21.463 72.898,25.492 JP20.3
PE3: JP2.42 JP20.4 | length 27.1
  Signal w0.254: JP2.42 51.307,28.331 52.079,27.559 52.823,27.559 53.41,26.972 54.21,26.972 54.902,26.28 54.902,25.48 56.76,23.622 66.675,23.622 67.691,24.638 67.691,28.448 69.088,29.845 JP20.4
PE4: JP2.43 JP20.1 | length 18.8
  Signal w0.254: JP2.43 56.398,23.114 66.802,23.114 67.691,22.225 JP20.1
PE5: JP2.44
PE6: JP2.45
PE7: JP1.19
PE8: JP1.20
PE9: JP1.21
PE10: JP1.22
PE11: JP1.23
PE12: JP1.24
PE13: JP1.25
PE14: JP1.26
PE15: JP1.27 U4.2 U4.3 | length 29.8
  Signal w0.254: v2(27.94,84.582) 27.94,79.248 31.242,75.946 31.242,69.088 28.397,66.243 JP1.27
  Bottom Layer w0.254: v2(27.94,84.582) 30.674,84.582 ; U4.2 30.674,84.582 ; U4.3 30.674,84.582
PWM1: PWM1.2 R18.2 | length 4.9
  Top Layer w0.254: R18.2 PWM1.2
PWM2: PWM2.2 R15.2 | length 5
  Top Layer w0.254: R15.2 39.06,66.881 PWM2.2
PWM3: PWM3.2 R13.2 | length 5
  Top Layer w0.254: PWM3.2 25.018,66.938 R13.2
PWM4: PWM4.2 R16.2 | length 4.9
  Top Layer w0.254: R16.2 PWM4.2
RS1035-1: R31.2 RS1.3 | length 4.6
  Top Layer w0.254: RS1.3 R31.2@51.435,21.201
RS1035-2: R14.2 RS2.3 | length 4.6
  Top Layer w0.254: RS2.3 R14.2
RS1035-3: R17.2 RS3.3 | length 4.6
  Top Layer w0.254: RS3.3 R17.2
RS1035-4: R19.2 RS4.3 | length 4.6
  Top Layer w0.254: RS4.3 R19.2
STM32_AD: JP1.7
VIN: 511.1 PWM1.3 PWM2.3 PWM3.3 PWM4.3 R2.2 R5.2 R12.2 SWITCH.1 | length 115.3
  Bottom Layer w2.54: SWITCH.1 10.97,80.216 14.549,76.637 ; PWM4.3 14.549,76.637 ; PWM3.3 28.518,76.58 28.575,76.637 ; PWM2.3 42.56,76.622 42.545,76.637 ; 511.1 45.4,76.703 45.466,76.637 ; 60.706,42.926 60.706,44.288 ; 60.706,45.524 60.706,44.288 ; 14.549,76.637 28.575,76.637 ; 28.575,76.637 42.545,76.637 ; 42.545,76.637 45.466,76.637 ; 45.466,76.637 54.808,76.637 56.332,75.113 PWM1.3 65.786,62.301 R12.2 65.786,46.743 63.331,44.288 60.706,44.288
pads on no net: CN1.3 CN1.4 JP2.1 U1.2 U1.3 U1.5 U2.2 U2.3 U2.5 U3.7 U3.8 U3.9 U3.10

## Polygon pours and split planes (outlines as drawn)
GND on Bottom Layer "GND_L04_P009" (solid, remove dead copper, pour order 9): -18.161,93.472 81.407,93.472 81.407,-6.096 -18.161,-6.096
NetC6_2 on Bottom Layer "NETC6_2_L04_P001" (solid, remove dead copper, pour order 1): 46.141,39.208 47.792,39.208 48.681,38.319 48.681,37.43 47.538,36.287 31.917,36.287 30.52,37.684 30.52,40.986 31.155,41.621 33.187,41.621 33.822,40.986 33.822,39.335 34.203,38.954 36.616,38.954 37.378,38.192 39.664,38.192 40.045,37.811 44.744,37.811 45.887,38.954
NetC1_2 on Bottom Layer "NETC1_2_L04_P000" (solid, remove dead copper, pour order 0): 46.141,48.098 47.792,48.098 48.681,47.209 48.681,46.32 47.538,45.177 31.917,45.177 30.52,46.574 30.52,49.876 31.155,50.511 33.187,50.511 33.822,49.876 33.822,48.225 34.203,47.844 36.616,47.844 37.378,47.082 39.664,47.082 40.045,46.701 44.744,46.701 45.887,47.844
GND on Top Layer "GND_L01_P007" (solid, remove dead copper, pour order 7): -18.161,93.472 81.407,93.472 81.407,-6.096 -18.161,-6.096
GND on GND (split plane): 80.897,92.962 80.897,2.083 80.897,-5.586 -17.651,-5.586 -17.651,92.962

## Silkscreen, mask and mechanical layers (free items; w line width, h text height)
Top Overlay:
  text "GND A B VIN" at 58.166,91.44 h1.52 r180
  text "SPI2" at -17.018,62.484 h1.52 r270
  text "SPI1" at 80.518,58.42 h1.52 r90
  text "SPI3" at -17.018,32.385 h1.52 r270
  text "SSPI" at 80.518,26.543 h1.52 r90
  text "PS2" at 15.621,-4.191 h1.52
  text "TX RX" at 31.242,-4.572 h1.52
Bottom Solder:
  region: -0.815,78.105 3.429,78.105 8.763,72.771 7.366,71.374 6.604,71.374 2.286,75.692 -0.815,75.692
  region: 57.658,72.136 67.056,62.738 67.056,46.101 64.008,43.053 62.103,43.053 62.103,45.466 61.976,45.593 62.992,45.593 64.516,47.117 64.516,61.849 55.753,70.612
  region: 9.779,83.185 9.779,79.629 13.335,76.073 13.335,72.136 15.748,72.136 15.875,72.263 15.875,75.311 27.305,75.311 27.305,71.882 29.845,71.882 29.845,75.311 41.275,75.311 41.275,72.009 43.815,72.009 43.815,75.311 54.356,75.311 55.118,74.549 55.118,71.882 57.658,71.882 57.658,75.438 55.245,77.851 46.863,77.851 46.736,77.978 46.736,83.312 44.069,83.312 44.069,83.185 44.069,77.851 14.986,77.851 12.319,80.518 12.319,83.058 12.192,83.185
  region: 6.286,70.549 6.35,70.485 6.35,68.58 8.89,66.04 49.022,66.04 50.673,67.691 50.673,70.485 48.006,70.485 48.006,68.58 36.83,68.58 36.83,70.485 34.29,70.485 34.29,68.58 22.86,68.58 22.86,70.485 20.193,70.485 20.193,68.58 9.906,68.58 8.89,69.596 8.89,70.485
  region: -3.175,85.598 -3.175,88.646 0.381,92.202 11.938,92.202 15.748,88.392 15.748,88.138 15.748,84.709 13.208,84.709 13.208,84.836 13.208,84.963 13.208,87.376 10.922,89.662 1.397,89.662 -0.762,87.503 -0.762,85.598
  pour cut-out: 58.039,76.2
  pour cut-out: 64.516,70.358
  pour cut-out: 65.532,71.755
  pour cut-out: 26.797,76.327
  pour cut-out: 62.421,45.593
  pour cut-out: 59.563,44.704
  pour cut-out: 59.563,44.704
Mechanical 1:
  lines w0.254: 81.153,93.345 -18.034,93.345 -18.034,-5.969 69.977,-5.969 81.28,-5.969 81.28,2.083 81.28,93.345

## Text inside footprints (layer, text, board x,y; h text height)
CN1: Top Overlay "-" at -4.346,74.88 h0.81 r180; Top Overlay "+" at -4.718,86.118 h0.81 r225
JP1: Top Overlay "49" at -1.372,62.103 h0.81 r180; Top Overlay "50" at -1.346,59.157 h0.81 r180; Top Overlay "2" at 63.957,59.284 h0.81 r180; Top Overlay "1" at 63.703,61.824 h0.81 r180
JP2: Top Overlay "49" at 63.17,25.004 h0.81; Top Overlay "50" at 63.144,27.95 h0.81; Top Overlay "2" at -2.159,27.823 h0.81; Top Overlay "1" at -1.905,25.283 h0.81